# Altium PCB PCB_3U_RJ45.PCBDOC (part 2 of 3)
Units mm, origin at the board's own origin, x right, y up, seen from the top; angles counter-clockwise.
Board outline 64.5 x 100 mm, 4 copper layers (TopLayer, Internal Plane 2, Internal Plane 1, BottomLayer), stack 1.463 mm thick; 223 components, 130 nets, 865 pads, 459 vias.
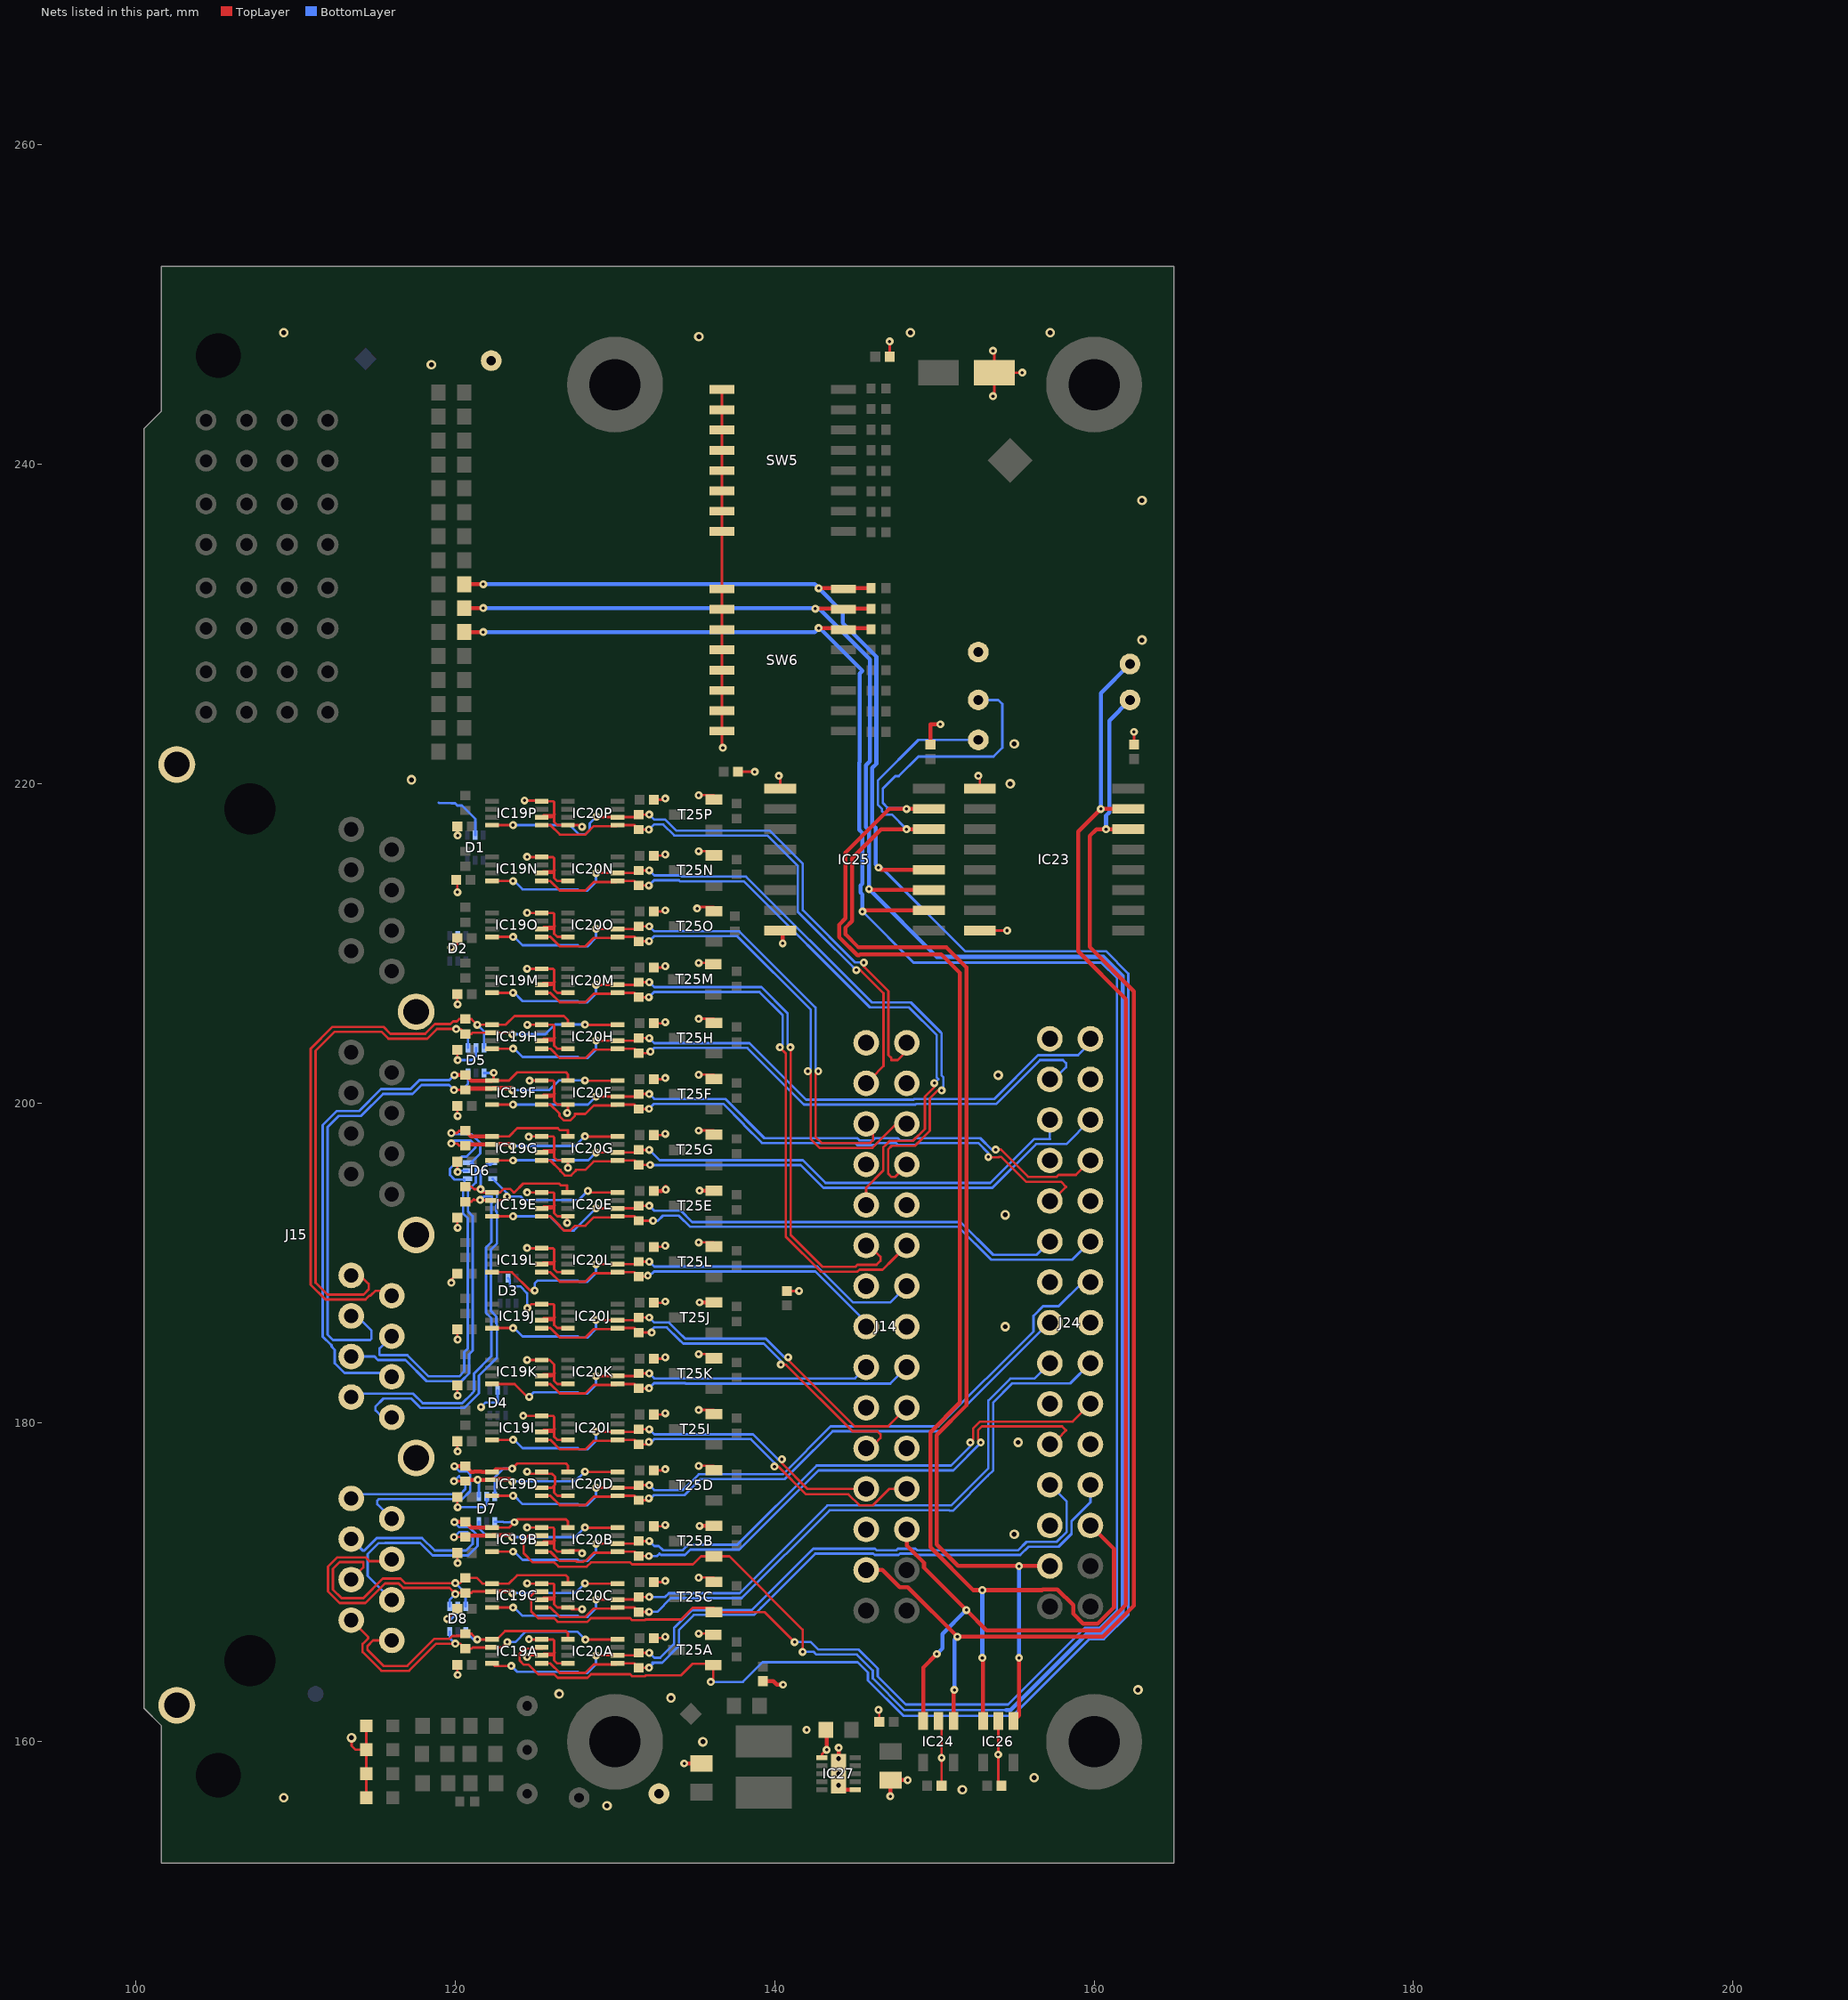
[diagram p4: the nets of this part, all layers, seen from the top]

## Via types
v1: diameter 0.5, hole 0.2, TopLayer to BottomLayer, tented both sides, 381 vias
v2: diameter 0.5, hole 0.2, TopLayer to BottomLayer, 43 vias
v3: diameter 0.6, hole 0.3, TopLayer to BottomLayer, tented both sides, 35 vias

## Nets (pads, with @x,y where several pads share a name; then routed paths per layer and width w, separated by ;. In a path a pad name is that pad's centre, name@x,y a point inside that pad or via, vN(x,y) a via of type N, cw(c..) or ccw(c..) an arc to the next point about the centre after c; other vN are vias at no path point) (continued)
DIR_CTRL14: IC19C.3 IC25.10 R115.2 R116.1 SW6.6 T25C.1 | length 150.6
  TopLayer w0.152: IC19C.3@125.404,169.41 125.005,169.41 124.59,168.995 124.75,168.835 124.75,168.165 125.178,167.737 126.192,167.737 126.417,167.513 128.268,167.513 128.492,167.737 130.944,167.737 131.069,167.612 131.878,167.612 131.933,167.668 131.936,167.665 134.145,167.665 134.867,168.388 T25C.1@136.18,168.388 ; T25C.1@136.196,168.119 139.381,168.119 v1(141.25,166.25)
  TopLayer w0.254: R115.2@120.55,229.5 v1(121.75,229.5) ; v1(142.75,229.75) 145.959,229.75 R116.1@146.03,229.679 ; v1(145.5,212) 145.575,212.075 IC25.10@149.65,212.075
  BottomLayer w0.152: v1(141.25,166.25) 142.259,166.25 142.738,165.771 145.268,165.771 146.448,164.591 146.448,164.095 148.202,162.341 154.614,162.341 159.41,167.137 160.322,167.137 161.435,168.249 161.435,207.815 160.445,208.805 148.695,208.805 v1(145.5,212)
  BottomLayer w0.254: v1(121.75,229.5) 142.5,229.5 v1(142.75,229.75) 142.825,229.75 145.5,227.075 145.332,226.906 145.332,221.366 145.298,221.332 145.298,217.115 145.5,216.913 145.5,213.749 145.377,213.626 145.377,213.187 145.5,213.064 v1(145.5,212)
DIR_CTRL15: IC19B.3 IC25.11 R117.2 R118.1 SW6.7 T25B.1 | length 154.5
  TopLayer w0.152: IC19B.3@125.404,172.91 124.574,172.91 124.276,172.613 124.276,171.811 124.85,171.237 126.192,171.237 126.238,171.191 126.463,170.967 128.221,170.967 128.492,171.237 130.944,171.237 131.069,171.112 134.89,171.112 135.396,171.619 T25B.1@136.196,171.619 137.157,171.619 141.75,167.026 v1(141.75,165.638)
  TopLayer w0.254: R117.2@120.55,231 v1(121.75,231) ; v1(142.536,230.964) R118.1@146.03,230.964 ; v1(145.906,213.406) 145.968,213.345 IC25.11@149.65,213.345
  BottomLayer w0.152: v1(141.75,165.638) 142.44,165.638 142.612,165.467 145.141,165.467 146.143,164.465 146.143,163.969 148.127,161.985 154.5,161.985
  BottomLayer w0.254: v1(121.75,231) 142.75,231 145.959,227.791 145.959,221.418 145.705,221.164 145.705,217.283 145.906,217.082 v1(145.906,213.406) 150.152,209.16 160.592,209.16 161.79,207.963 161.79,168.102 160.47,166.781 159.557,166.781 154.761,161.985 154.5,161.985
DIR_CTRL16: IC19A.3 IC25.12 R119.2 R120.1 SW6.8 T25A.1 | length 153.9
  TopLayer w0.152: IC19A.3@125.404,165.91 125.469,165.844 125.469,165.836 124.353,165.836 124.021,165.504 124.021,165.108 124.302,164.828 124.588,164.828 125.178,164.237 126.192,164.237 126.417,164.013 128.268,164.013 128.492,164.237 130.944,164.237 131.069,164.112 131.878,164.112 131.933,164.168 131.936,164.165 134.145,164.165 134.867,164.888 136.18,164.888 T25A.1@136.15,164.8 136.15,163.9 v1(136,163.75)
  TopLayer w0.254: R119.2@120.55,232.5 v1(121.75,232.5) ; v1(142.75,232.25) R120.1@146.03,232.25 ; v1(146.5,214.75) 146.635,214.615 IC25.12@149.65,214.615
  BottomLayer w0.152: v1(136,163.75) 138.011,163.75 139.239,164.979 145.198,164.979 145.838,164.339 145.838,163.843 148.051,161.63 154.908,161.63 159.704,166.425 160.617,166.425 162.146,167.954 162.146,208.11 160.74,209.516 151.921,209.516 146.687,214.75 v1(146.5,214.75)
  BottomLayer w0.254: v1(121.75,232.5) 142.5,232.5 v1(142.75,232.25) 144.25,230.75 144.25,230.075 146.365,227.959 146.365,221.25 146.111,220.996 146.111,217.452 146.313,217.25 146.313,214.937 v1(146.5,214.75)
GND: B5.1 B7.1 B9.1 C46A.1 C46B.1 C46C.1 C46D.1 C46E.1 C46F.1 C46G.1 C46H.1 C46I.1 C46J.1 C46K.1 C46L.1 C46M.1 C46N.1 C46O.1 C46P.1 C47A.1 C47B.1 C47C.1 C47D.1 C47E.1 C47F.1 C47G.1 C47H.1 C47I.1 C47J.1 C47K.1 C47L.1 C47M.1 C47N.1 C47O.1 C47P.1 C57.1 C58.1 C59.1 C60.1 C61.1 C62.2 C63.1 C64.1 C65.1 C66.1 C67.1 C68.1 D1.2 D2.2 D3.2 D4.2 D5.2 D6.2 D7.2 D8.2 IC19A.2 IC19A.4 IC19B.2 IC19B.4 IC19C.2 IC19C.4 IC19D.2 IC19D.4 IC19E.2 IC19E.4 IC19F.2 IC19F.4 IC19G.2 IC19G.4 IC19H.2 IC19H.4 IC19I.2 IC19I.4 IC19J.2 IC19J.4 IC19K.2 IC19K.4 IC19L.2 IC19L.4 IC19M.2 IC19M.4 IC19N.2 IC19N.4 IC19O.2 IC19O.4 IC19P.2 IC19P.4 IC20A.4 IC20B.4 IC20C.4 IC20D.4 IC20E.4 IC20F.4 IC20G.4 IC20H.4 IC20I.4 IC20J.4 IC20K.4 IC20L.4 IC20M.4 IC20N.4 IC20O.4 IC20P.4 IC23.1 IC23.8 IC24.2 IC25.1 IC25.8 IC26.2 IC27.1 IC27.6 IC27.11 J14.1 J14.4 J14.7 J14.10 J14.13 J14.16 J14.19 J14.22 J14.25 J15.SH J24.1 J24.4 J24.7 J24.10 J24.13 J24.16 J24.19 J24.22 J24.25 LD5.1 LD6.1 LD7.1 LD8.1 R122.1 SW5.9 SW5.10 SW5.11 SW5.12 SW5.13 SW5.14 SW5.15 SW5.16 SW6.9 SW6.10 SW6.11 SW6.12 SW6.13 SW6.14 SW6.15 SW6.16 T25A.2 T25B.2 T25C.2 T25D.2 T25E.2 T25F.2 T25G.2 T25H.2 T25I.2 T25J.2 T25K.2 T25L.2 T25M.2 T25N.2 T25O.2 T25P.2 | length 211.1
  TopLayer w0.152: v3(113.5,160.25) 113.5,159.75 113.75,159.5 LD8.1@114.425,159.5 ; LD5.1@114.425,156.5 LD7.1@114.425,158 LD8.1@114.425,159.5 ; LD6.1@114.425,161 LD8.1@114.425,159.5 ; v2(119.5,167.691) 120,168.191 120.127,168.191 C47C.1@120.127,168.326 ; v2(119.75,188.75) 119.75,188.948 C47L.1@120.127,189.326 ; v1(119.75,209.75) 119.936,209.75 120.127,209.941 C47O.1@120.127,210.326 ; C47A.1@120.127,164.826 120.127,164.209 v1(120.145,164.191) ; C47B.1@120.127,171.826 120.127,171.209 v1(120.145,171.191) ; C47D.1@120.127,175.326 120.127,174.709 v1(120.145,174.691) ; C47I.1@120.127,178.826 120.127,178.209 v1(120.145,178.191) ; C47K.1@120.127,182.326 120.127,181.709 v1(120.145,181.691) ; C47J.1@120.127,185.826 120.127,185.209 v1(120.145,185.191) ; C47E.1@120.127,192.826 120.127,192.209 v1(120.145,192.191) ; C47G.1@120.127,196.326 120.127,195.709 v1(120.145,195.691) ; C47F.1@120.127,199.826 120.127,199.209 v1(120.145,199.191) ; C47H.1@120.127,203.326 120.127,202.709 v1(120.145,202.691) ; C47M.1@120.127,206.826 120.127,206.209 v1(120.145,206.191) ; v1(120.127,213.209) C47N.1@120.127,213.826 ; C47P.1@120.127,217.326 120.127,216.709 120.145,216.727 v1(120.145,216.762) ; v1(124.25,180.422) 124.262,180.41 IC19I.4@125.404,180.41 126.126,180.41 126.19,180.346 126.19,179.624 126.226,179.588 ; v1(124.333,218.948) 125.365,218.948 IC19P.4@125.404,218.91 126.126,218.91 126.19,218.846 126.19,218.124 126.226,218.088 ; v1(124.5,165.306) 124.604,165.41 IC19A.2@125.404,165.41 126.048,165.41 126.169,165.531 ; v1(124.5,169.922) 124.512,169.91 IC19C.4@125.404,169.91 126.126,169.91 126.19,169.846 126.19,169.124 126.226,169.088 ; v1(124.5,173.422) 124.512,173.41 IC19B.4@125.404,173.41 126.126,173.41 126.19,173.346 126.19,172.624 126.226,172.588 126.19,172.553 ; v1(124.5,176.922) 124.633,176.788 126.057,176.788 126.238,176.608 126.238,176.1 126.19,176.053 ; v1(124.5,183.922) 124.512,183.91 IC19K.4@125.404,183.91 125.909,183.91 126.19,183.629 126.19,183.124 126.226,183.088 126.19,183.053 ; v1(124.5,190.922) 124.512,190.91 IC19L.4@125.404,190.91 126.126,190.91 126.19,190.846 126.19,190.124 126.226,190.088 ; v1(124.5,208.422) 124.512,208.41 IC19M.4@125.404,208.41 126.126,208.41 126.19,208.346 126.19,207.624 126.226,207.588 126.19,207.553 ; v1(124.5,211.922) 124.512,211.91 IC19O.4@125.404,211.91 126.126,211.91 126.19,211.846 126.19,211.124 126.226,211.088 ; v1(124.5,215.422) 124.512,215.41 IC19N.4@125.404,215.41 126.126,215.41 126.19,215.346 126.19,214.624 126.226,214.588 126.19,214.553 ; v1(124.5,194.41) IC19E.4@125.404,194.41 126.126,194.41 126.19,194.346 126.19,193.624 126.226,193.588 126.19,193.553 ; v1(124.506,187.159) 124.757,187.41 IC19J.4@125.404,187.41 126.126,187.41 126.19,187.346 126.19,186.624 126.226,186.588 126.19,186.553 ; v1(124.512,204.91) IC19H.4@125.404,204.91 126.126,204.91 126.19,204.846 126.19,204.124 126.226,204.088 126.19,204.053 ; v1(124.587,197.891) 124.605,197.91 IC19G.4@125.404,197.91 126.126,197.91 126.19,197.846 126.19,197.124 126.226,197.088 126.19,197.053 ; v1(124.612,166.422) 124.624,166.41 IC19A.4@125.404,166.41 126.126,166.41 126.19,166.346 126.19,165.624 126.226,165.588 126.19,165.553 ; v1(124.65,201.41) IC19F.4@125.404,201.41 126.126,201.41 126.19,201.346 126.19,200.624 126.226,200.588 ; IC19D.2@125.404,175.91 126.048,175.91 126.19,176.053 ; IC19A.2@125.525,165.531 126.169,165.531 ; v1(127,192.5) 127,192.856 IC20E.4@127.053,192.91 126.382,192.91 126.19,193.101 126.19,193.553 ; v1(127,199.39) 127.053,199.443 IC20F.4@127.053,199.91 126.382,199.91 126.19,200.101 126.19,200.553 126.226,200.588 ; IC20A.4@127.053,164.91 126.382,164.91 126.19,165.101 126.19,165.553 ; IC20D.4@127.053,175.41 126.382,175.41 126.19,175.601 126.19,176.053 ; IC20I.4@127.053,178.91 126.382,178.91 126.19,179.101 126.19,179.553 ; IC20K.4@127.053,182.41 126.382,182.41 126.19,182.601 126.19,183.053 ; IC20J.4@127.053,185.91 126.382,185.91 126.19,186.101 126.19,186.553 ; IC20L.4@127.053,189.41 126.382,189.41 126.19,189.601 126.19,190.053 126.226,190.088 ; v1(127.053,195.943) IC20G.4@127.053,196.41 126.382,196.41 126.19,196.601 126.19,197.053 ; IC20H.4@127.053,203.41 126.382,203.41 126.19,203.601 126.19,204.053 ; IC20M.4@127.053,206.91 126.382,206.91 126.19,207.101 126.19,207.553 ; IC20O.4@127.053,210.41 126.382,210.41 126.19,210.601 126.19,211.053 126.226,211.088 ; IC20N.4@127.053,213.91 126.382,213.91 126.19,214.101 126.19,214.553 ; v1(127.935,168.304) 127.295,168.304 127.122,168.478 IC20C.4@127.053,168.41 126.382,168.41 126.19,168.601 126.19,169.053 ; v1(127.935,171.804) 127.761,171.978 127.122,171.978 IC20B.4@127.053,171.91 126.382,171.91 126.19,172.101 126.19,172.553 ; v1(127.935,217.304) 127.829,217.41 IC20P.4@127.053,217.41 126.382,217.41 126.19,217.601 126.19,218.053 ; C46A.1@132.432,166.498 133.125,166.498 v1(133.15,166.574) ; C46C.1@132.432,169.998 133.125,169.998 v1(133.15,170.074) ; C46B.1@132.432,173.498 133.125,173.498 v1(133.15,173.574) ; C46D.1@132.432,176.998 133.125,176.998 v1(133.15,177.074) ; C46I.1@132.432,180.498 133.125,180.498 v1(133.15,180.574) ; C46K.1@132.432,183.998 133.125,183.998 v1(133.15,184.074) ; C46J.1@132.432,187.498 133.125,187.498 v1(133.15,187.574) ; C46L.1@132.432,190.998 133.125,190.998 v1(133.15,191.074) ; C46G.1@132.432,197.998 133.125,197.998 v1(133.15,198.074) ; C46F.1@132.432,201.498 133.125,201.498 v1(133.15,201.574) ; C46H.1@132.432,204.998 133.125,204.998 v1(133.15,205.074) ; C46M.1@132.432,208.498 133.125,208.498 v1(133.15,208.574) ; C46O.1@132.432,211.998 133.125,211.998 v1(133.15,212.074) ; C46N.1@132.432,215.498 133.125,215.498 v1(133.15,215.574) ; C46P.1@132.432,218.998 133.125,218.998 v1(133.15,219.074) ; v1(135.145,212.191) 135.233,212.277 135.243,212.288 T25O.2@136.18,212.288 ; v1(135.233,166.777) 135.243,166.788 136.18,166.788 T25A.2@136.15,166.7 ; v1(135.233,170.277) 135.243,170.288 T25C.2@136.18,170.288 ; v1(135.233,177.277) 135.243,177.288 T25D.2@136.18,177.288 ; v1(135.233,180.777) 135.243,180.788 T25I.2@136.18,180.788 ; v1(135.233,184.277) 135.243,184.288 T25K.2@136.18,184.288 ; v1(135.233,191.277) 135.243,191.288 T25L.2@136.18,191.288 ; v1(135.233,198.277) 135.243,198.288 T25G.2@136.18,198.288 ; v1(135.233,201.777) 135.243,201.788 T25F.2@136.18,201.788 ; v1(135.233,205.277) 135.243,205.288 T25H.2@136.18,205.288 ; v1(135.233,208.777) 135.243,208.788 T25M.2@136.18,208.788 ; v1(135.233,215.777) 135.243,215.788 T25N.2@136.18,215.788 ; v1(135.233,219.277) 135.243,219.288 T25P.2@136.18,219.288 ; SW5.9@136.7,244.695 SW5.10@136.7,243.425 SW5.11@136.7,242.155 SW5.12@136.7,240.885 SW5.13@136.7,239.615 SW5.14@136.7,238.345 SW5.15@136.7,237.075 SW5.16@136.7,235.805 SW6.9@136.7,232.195 SW6.10@136.7,230.925 SW6.11@136.7,229.655 SW6.12@136.7,228.385 SW6.13@136.7,227.115 SW6.14@136.7,225.845 SW6.15@136.7,224.575 SW6.16@136.7,223.305 136.7,222.3 v1(136.75,222.25) ; C59.1@137.7,220.75 v1(138.75,220.75) ; v1(140.25,220.5) 140.35,220.4 IC25.1@140.35,219.695 ; C60.1@140.767,188.232 v1(141.522,188.232) ; IC27.6@142.95,159 142.95,159.2 v1(143.25,159.5) ; v1(146.5,162) 146.55,161.95 C67.1@146.55,161.25 ; C61.1@147.2,246.75 v1(147.2,247.7) ; IC24.2@150.25,161.3 150.45,161.1 v1(150.45,159) C58.1@150.45,157.25 ; v1(152.75,220.5) 152.85,220.4 IC23.1@152.85,219.695 ; IC23.8@152.85,210.805 v1(154.555,210.805) ; v1(153.67,244.272) 153.75,244.352 C62.2@153.75,245.75 ; v1(153.67,247.117) 153.75,247.037 C62.2@153.75,245.75 ; IC26.2@154,161.3 v1(154,159.2) 154,157.45 C63.1@154.2,157.25 ; v1(155.5,245.75) C62.2@153.75,245.75 ; C57.1@162.5,222.45 v1(162.5,223.25) ; 126.169,165.531 126.19,165.553 ; 126.169,172.531 126.19,172.553 ; 126.169,172.531 126.048,172.41 IC19B.2@125.404,172.41 125.525,172.531 126.169,172.531 ; 126.169,172.531 126.19,172.553 ; 126.169,183.031 125.525,183.031 IC19K.2@125.404,182.91 126.048,182.91 126.169,183.031 ; 126.169,183.031 126.19,183.053 ; 126.169,183.031 126.19,183.053 ; 126.169,186.531 126.048,186.41 IC19J.2@125.404,186.41 125.525,186.531 126.169,186.531 ; 126.169,186.531 126.19,186.553 ; 126.169,193.531 126.19,193.553 ; 126.169,193.531 126.048,193.41 IC19E.2@125.404,193.41 125.525,193.531 126.169,193.531 ; 126.169,193.531 126.19,193.553 ; 126.169,197.031 126.19,197.053 ; 126.169,197.031 126.048,196.91 IC19G.2@125.404,196.91 125.525,197.031 126.169,197.031 ; 126.169,204.031 126.19,204.053 ; 126.169,204.031 126.048,203.91 IC19H.2@125.404,203.91 125.525,204.031 126.169,204.031 ; 126.169,207.531 126.19,207.553 ; 126.169,207.531 126.048,207.41 IC19M.2@125.404,207.41 125.525,207.531 126.169,207.531 ; 126.169,214.531 126.19,214.553 ; 126.169,214.531 126.048,214.41 IC19N.2@125.404,214.41 125.525,214.531 126.169,214.531 ; 126.19,169.053 126.169,169.031 125.525,169.031 IC19C.2@125.404,168.91 126.048,168.91 126.19,169.053 ; 126.19,169.053 126.226,169.088 ; 126.19,169.053 126.226,169.088 ; 126.19,169.053 126.226,169.088 ; 126.19,179.553 126.226,179.588 ; 126.19,179.553 126.169,179.531 125.525,179.531 IC19I.2@125.404,179.41 126.048,179.41 126.19,179.553 ; 126.19,179.553 126.226,179.588 ; 126.19,179.553 126.226,179.588 ; 126.19,218.053 126.226,218.088 ; 126.19,218.053 126.169,218.031 125.525,218.031 IC19P.2@125.404,217.91 126.048,217.91 126.19,218.053 ; 126.19,218.053 126.226,218.088 ; 126.19,218.053 126.226,218.088 ; 126.226,190.088 126.169,190.031 125.525,190.031 IC19L.2@125.404,189.91 126.048,189.91 126.226,190.088 ; 126.226,200.588 126.048,200.41 IC19F.2@125.404,200.41 125.525,200.531 126.169,200.531 126.226,200.588 ; 126.226,211.088 126.169,211.031 125.525,211.031 IC19O.2@125.404,210.91 126.048,210.91 126.226,211.088
  TopLayer w0.254: C46E.1@132.432,194.498 132.919,194.498 133.178,194.757 v1(133.178,194.583) ; v1(134.33,158.643) C66.1@135.407,158.643 ; v1(135.294,173.519) T25B.2@136.196,173.519 ; v1(135.294,187.519) T25J.2@136.196,187.519 ; v1(135.294,194.519) T25E.2@136.196,194.519 ; C65.1@139.25,163.8 139.913,163.8 140.137,163.576 v1(140.524,163.576) ; IC25.8@140.35,210.805 140.5,210.655 v1(140.5,210) ; R122.1@143.2,160.75 143,160.55 143.25,160.3 v1(143.25,159.5) ; v1(144,159.627) v3(144,158) v3(144,157.269) 144.269,157 IC27.1@145.05,157 ; v1(147.244,156.591) 147.25,156.597 C68.1@147.25,157.6 v1(148.327,157.6) ; C64.1@149.75,222.45 149.75,223.724 v1(150.368,223.724)
  BottomLayer w0.152: 118.95,218.825 118.98,218.795 119.726,218.795 119.744,218.777 119.99,218.777 120.125,218.642 120.408,218.642 121.25,217.8 D1.2@121.25,216.79 ; v2(119.5,167.691) 119.745,167.691 120.145,168.091 D8.2@120.145,168.481 ; v2(119.75,188.75) v2@119.75,188.783 ; v1@119.845,209.75 120.145,210.05 D2.2@120.145,210.481 ; v1(120.145,174.691) 121.816,174.691 121.975,174.85 D7.2@121.975,175.365 ; v1(120.145,195.691) 120.218,195.764 D6.2@120.765,195.764 ; v1(120.145,202.691) 121.041,202.691 121.3,202.95 D5.2@121.3,203.465 ; v2(121.604,180.96) 121.894,181.25 122.65,181.25 D4.2@122.65,182.015 ; D3.2@123.3,189.04 123.421,188.919 123.421,188.526 124.066,188.526 124.493,188.099 124.493,188.069 124.506,188.055 v1@124.506,187.225 ; v1(127,192.5) v1@127,192.648 ; v1(127.935,168.304) v1@128,168.369 ; v1(127.935,171.804) v1@127.989,171.75
  other v1: 142,160.75
  other v3: 129.5,156 109.25,156.5 151.75,157 156.25,157.75 144,158.953 135.5,160 133.5,162.75 126.5,163 162.75,163.25 155,173 155.25,178.75 154.436,186 154.436,193 154,201.75 154.75,220 117.25,220.25 155,222.5 163,229 163,237.75 118.5,246.25 135.25,248 109.25,248.25 148.5,248.25 157.25,248.25
I2C1_SCL: B2.1 IC23.14 IC24.1 J14.27 | length 85.4
  TopLayer w0.254: J14.27@145.73,170.76 146.744,170.76 147.823,169.681 148.336,169.681 v1(151.439,166.578) 160.554,166.578 162.5,168.524 162.5,207 159.721,209.779 159.721,216.721 160.155,217.155 v2(160.75,217.155) IC23.14@162.15,217.155 ; IC24.1@151.2,161.3 151.2,163.2 v1(151.25,163.25)
  BottomLayer w0.254: v1(151.25,163.25) 151.25,166.389 v1(151.439,166.578) ; v2(160.75,217.155) 160.75,218.001 160.954,218.206 160.954,223.954 B2.1@162.25,225.25
I2C1_SDA: B1.1 IC23.15 IC24.3 J14.26 | length 89.1
  TopLayer w0.254: J14.26@148.27,173.3 148.27,172.287 149.349,171.207 149.349,170.901 v1(152,168.25) 153.266,166.984 160.386,166.984 162,168.599 162,206.5 159,209.5 159,217 v2(160.425,218.425) IC23.15@162.15,218.425 ; IC24.3@149.3,161.3 149.3,164.65 v1(150.15,165.5)
  BottomLayer w0.254: v1(150.15,165.5) 150.5,165.85 150.5,166.75 v1(152,168.25) ; v2(160.425,218.425) 160.425,225.675 B1.1@162.25,227.5
I2C2_SCL: B4.1 IC25.14 IC26.1 J24.27 | length 84.7
  TopLayer w0.254: IC25.14@149.65,217.155 v2(148.25,217.155) 146.655,217.155 144.842,215.342 144.842,211.4 144.441,210.999 144.441,210.559 145.25,209.75 150.75,209.75 152,208.5 152,181.069 150.15,179.219 150.15,172.35 151.49,171.01 J24.27@157.23,171.01 ; IC26.1@154.95,161.3 155.3,161.65 v1(155.3,165.25)
  BottomLayer w0.152: v2(148.25,217.155) 147.336,218.069 146.928,218.069 146.719,218.278 146.719,218.423 146.467,218.676 146.467,220.217 149,222.75 B4.1@152.75,222.75
  BottomLayer w0.254: v1(155.3,165.25) v1(155.3,171)
I2C2_SDA: B3.1 IC25.15 IC26.3 J24.26 | length 100.8
  TopLayer w0.254: IC25.15@149.65,218.425 v2(148.25,218.425) 147.175,218.425 144.436,215.686 144.436,211.568 144.035,211.167 144.035,210.391 145.175,209.25 145.28,209.25 145.356,209.327 150.423,209.327 151.594,208.156 151.594,181.237 149.743,179.387 149.743,172.182 152.425,169.5 v1(153,169.5) 156.734,169.5 156.783,169.549 157.701,169.549 158.691,168.559 158.691,168.023 159.323,167.391 160.217,167.391 161.25,168.423 161.25,172.07 J24.26@159.77,173.55 ; v1(153,165.25) 153.05,165.2 IC26.3@153.05,161.3
  BottomLayer w0.152: 147.075,218.425 147.075,218.498 146.771,218.802 146.771,219.698 147.552,220.479 147.771,220.479 149,221.707 153.707,221.707 154.25,222.25 154.25,225 154,225.25 B3.1@152.75,225.25
  BottomLayer w0.254: 147.075,218.425 v2(148.25,218.425) ; v1(153,165.25) v1(153,169.5)
LVDS1_N: IC19P.1 IC20P.5 J14.3 R132P.2 | length 34.3
  TopLayer w0.152: IC19P.1@125.404,217.41 125.951,217.41 126.543,216.818 128.141,216.818 128.671,217.347 130.091,217.347 IC20P.5@130.153,217.41 131.22,217.41 131.474,217.156 R132P.2@131.474,217.131 v1(132.121,217.131) ; v1(145.114,208.336) 145.36,208.336 146.812,206.884 146.812,202.322 146.05,201.56 J14.3@145.73,201.24
  BottomLayer w0.152: v1(132.121,217.131) 132.439,217.449 133.02,217.449 133.705,216.764 139.548,216.764 141.453,214.859 141.453,211.964 142.736,210.681 144.907,208.51 144.941,208.51 v1(145.114,208.336)
LVDS1_P: IC19P.8 IC20P.6 J14.2 R132P.1 | length 38.4
  TopLayer w0.152: IC19P.8@122.304,217.41 v1(123.612,217.41) ; v1(128.83,217.931) 128.83,217.91 IC20P.6@130.153,217.91 131.287,217.91 131.474,218.096 R132P.1@131.474,218.071 v1(132.147,218.071) ; v1(145.576,208.797) 145.576,208.551 147.117,207.01 147.117,203.009 147.305,202.821 147.305,202.695 147.695,202.695 148.27,203.27 J14.2@148.27,203.78
  BottomLayer w0.152: v1(123.612,217.41) 127.153,217.41 127.737,216.826 128.133,216.826 128.414,217.106 128.414,217.515 v1(128.83,217.931) ; v1(132.147,218.071) 132.464,217.753 133.146,217.753 133.831,217.068 139.674,217.068 141.757,214.985 141.757,212.09 145.033,208.815 145.558,208.815 v1(145.576,208.797)
LVDS2_N: IC19O.1 IC20O.5 J14.6 R132O.2 | length 34.6
  TopLayer w0.152: IC19O.1@125.404,210.41 125.951,210.41 126.543,209.818 128.141,209.818 128.671,210.347 130.091,210.347 IC20O.5@130.153,210.41 131.22,210.41 131.474,210.156 R132O.2@131.474,210.131 v1@132.121,210.131 ; v1(142.076,202) 142.25,201.826 142.25,197.755 142.81,197.195 146.111,197.195 147.616,198.7 J14.6@148.27,198.7